# Altium PCB Power Distribution Board.PcbDoc (part 2 of 3)
Units mil, origin at the board's own origin, x right, y up, seen from the top; angles counter-clockwise.
Board outline 7086.61 x 4330.71 mil, 4 copper layers (Top Layer, L2 - GND, L3 - Power, Bottom Layer), stack 61.811 mil thick; 241 components, 181 nets, 796 pads, 516 vias.
Unrouted connection lines stored in the file: 42.
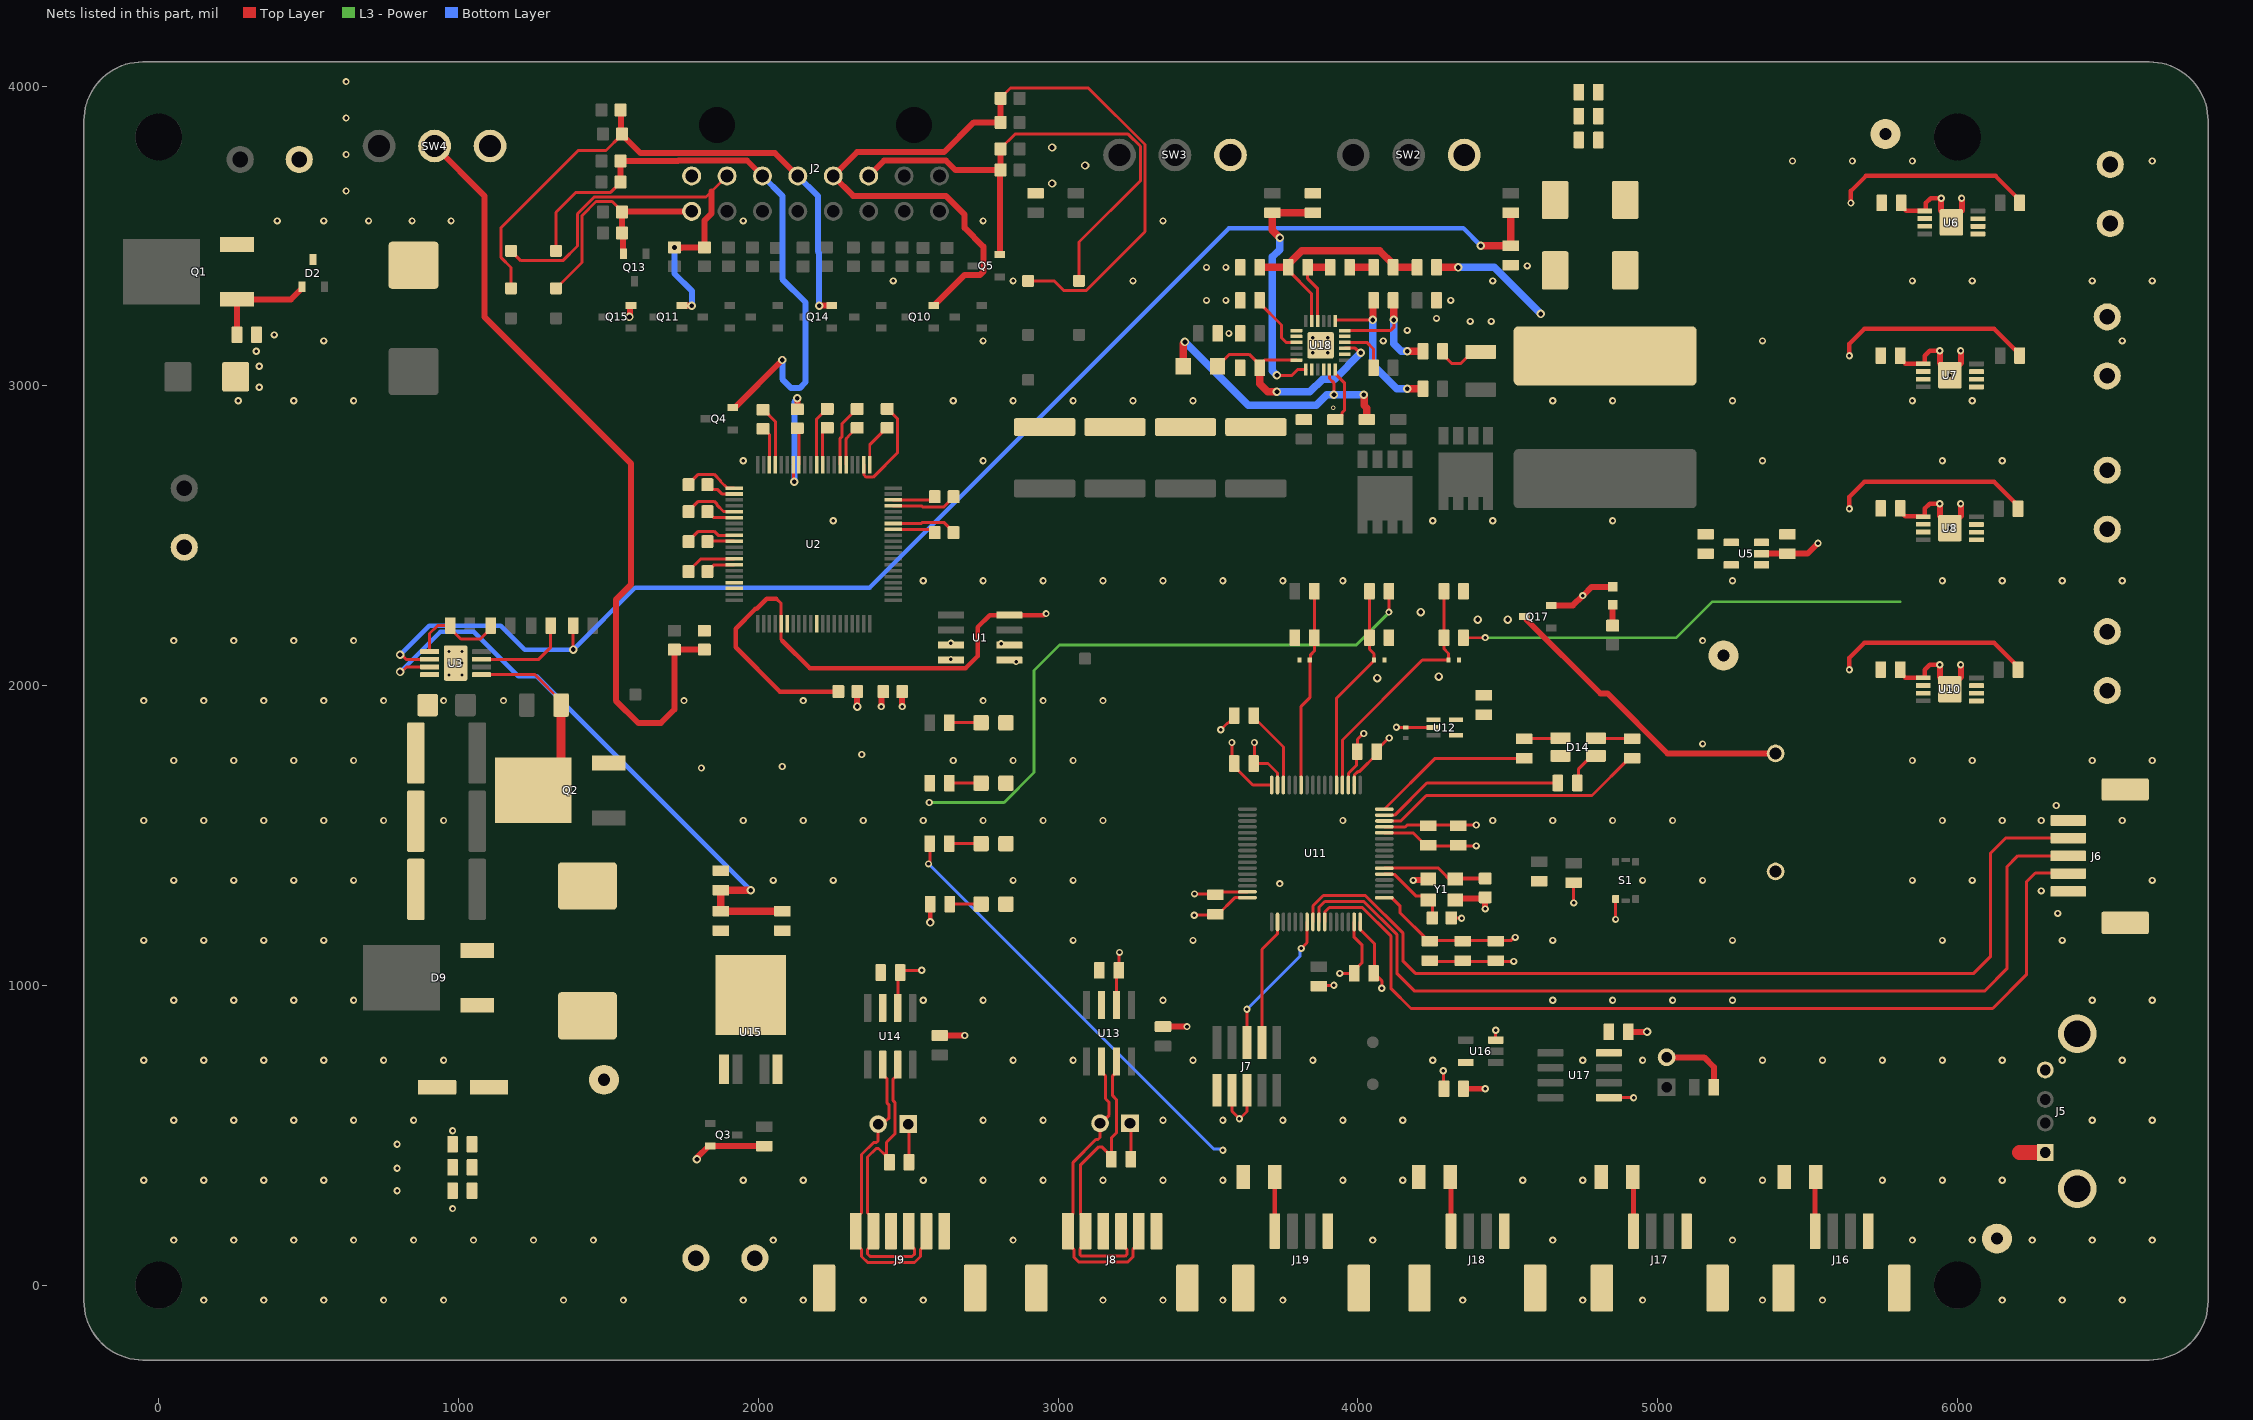
[diagram p4: the nets of this part, all layers, seen from the top]

## Part data (continued)
J1 J10 J11 J12 J13 J14 J15: "TERM BLK 2POS SIDE ENTRY 5MM", Current=18A, Manufacturer 1="Phoenix Contact", Manufacturer Part Number 1=1935161, Max Current Rating=16A, Package/Footprint=SMD, Supplier Part Number 1=277-1667-ND, Voltage=300V, Mounting Type=TH, Supplier 1=Digi-Key
J2: "Connector 16 Pin AJX", Arrow Part Number=0430451600, Manufacturer_Name=Molex, Arrow Price/Stock=https://www.arrow.com/en/products/0430451600/molex, Datasheet Link=https://www.molex.com/pdm_docs/sd/430451600_sd.pdf, Height=9.02mm, Manufacturer_Part_Number=0430451600
J5: "USB-A (USB TYPE-A) USB 2.0 Receptacle Connector 4 Position Through Hole, Right Angle", Manufacturer 1=GCT, Manufacturer Part Number 1=USB1130-15-A, Supplier Part Number 1=2073-USB1130-15-ACT-ND, Supplier 1=Digi-Key
J6: "CONN HEADER SMD RIGHT ANGLE 1.5MM PITCH", Current Rating=2A, Manufacturer 1=Molex, Manufacturer Part Number 1=5025850570, Package/Footprint=SMD, Supplier Part Number 1=WM14469CT-ND, Family=CLIK-Mate, Mounting Type=SMD, Orientation="Right Angle", Supplier 1=Digi-Key
J7: "CONN HEADER SMD 10POS 1.27MM", Manufacturer 1=Samtec, Manufacturer Part Number 1=FTSH-105-01-F-DV-K, Supplier Part Number 1=SAM8796-ND, Mounting Type=SMD, Pitch=1.27mm, Supplier 1=Digi-Key
J8 J9: "CONN HEADER SMD RIGHT ANGLE 1.5 MM PITCH", Manufacturer 1=Molex, Manufacturer Part Number 1=5025850670, Package/Footprint=SMD, Supplier Part Number 1=WM12832CT-ND, Family=CLIK-Mate, Mounting Type=SMD, Supplier 1=Digi-Key
J16 J17 J18 J19: "CONN HEADER SMD RIGHT ANGLE 1.5 MM PITCH", Package/Footprint=SMD, Supplier Part Number 1=WM9449CT-ND, Family=CLIK-Mate, Mounting Type=SMD, Supplier 1=Digi-Key
L2: "FIXED IND 47UH 6.5A 90 MOHM SMD", Current Rating=6.5A, DC Resistance (DCR)=90mR, Inductance=47μH, Manufacturer 1="Bourns Inc.", Manufacturer Part Number 1=SRP1265A-470M, Saturation Current=9A, Supplier Part Number 1=SRP1265A-470MCT-ND, Supplier 1=Digi-Key
L3: "FIXED IND 10UH 24A 8.6 MOHM SMD", Current Rating=24A, DC Resistance (DCR)=8.6mR, Inductance=10μH, Manufacturer 1="Pulse Electronics Power", Manufacturer Part Number 1=PA2247.103NLT, Saturation Current=26A, Supplier Part Number 1=553-PA2247.103NLTCT-ND, Supplier 1=Digi-Key
Q1: "MOSFET P-CH 85V 96A TO263", Manufacturer 1=IXYS, Manufacturer Part Number 1=IXTA96P085T-TRL, Package/Footprint=TO-263AA, Supplier Part Number 1=IXTA96P085T-TRLCT-ND, Id=96A, Mounting Type=SMD, Supplier 1=Digi-Key, Vdss=85V, Verified=No, Vgs (Max)=±15V
Q2: "MOSFET P-CH 100V 120A TO263", Manufacturer 1="Vishay Siliconix", Manufacturer Part Number 1=SQM120P10_10M1LGE3, Package/Footprint=TO-263, Supplier Part Number 1=IXTA96P085T-ND, Id=120A, Mounting Type=SMD, Supplier 1=Digi-Key, Vdss=100V, Verified=No, Vgs (Max)=±15V
Q3: "MOSFET P-CH 60V 120MA SOT-23", Manufacturer 1="ON Semiconductor", Manufacturer Part Number 1=NDS0610, Package/Footprint=SOT-23, Supplier Part Number 1=NDS0610CT-ND, Id=120mA, Mounting Type=SMD, Supplier 1=Digi-Key, Vdss=60V, Vgs (Max)=±20V
Q4 Q5 Q6 Q9 Q10 Q11 Q12 Q13 Q14 Q15 Q16: "MOSFET N-CH 20V 6A SOT-23", Manufacturer 1="Alpha & Omega", Manufacturer Part Number 1=AO3420, Supplier Part Number 1=785-1014-2-ND, Supplier 1=Digi-Key
Q7 Q8: "MOSFET N-CH 100V 90A 8SOP", Manufacturer 1="Toshiba Semiconductor and Storage", Manufacturer Part Number 1=TPH3R70APL,L1Q, Package/Footprint="8-SOP Advance", Supplier Part Number 1=264-TPH3R70APLL1QCT-ND, Id=90A, Supplier 1=Digi-Key, Vdss=100V, Vgs (Max)=±20V
Q17: "TRANS NPN 40V 1.5A SOT23", Arrow Part Number=SS8050-G, Manufacturer_Name="Comchip Technology", Mouser Part Number=750-SS8050-G, Arrow Price/Stock=https://www.arrow.com/en/products/ss8050-g/comchip-technology?region=nac, Datasheet Link=https://datasheet.datasheetarchive.com/originals/distributors/DKDS-12/229454.pdf, Height=1.15mm, Manufacturer_Part_Number=SS8050-G, Mouser Price/Stock=https://www.mouser.co.uk/ProductDetail/Comchip-Technology/SS8050-G?qs=LLUE9lz1YbcHg%252BWLMAtcrQ%3D%3D
R1 R21 R22 R23 R77 R91: "RES 1K OHM 1% 1/8W 0805", LCSC Part #=C17513, Manufacturer 1=Yageo, Manufacturer Part Number 1=RC0805FR-071KL, Package=0805, Supplier Part Number 1=311-1.00KCRCT-ND, Mounting Type=SMD, Supplier 1=Digi-Key
R2 R3 R6 R7 R10 R11 R20 R24 R28 R32 R36: "RES 3K OHM 1% 1/10W 0603", Manufacturer 1=Yageo, Manufacturer Part Number 1=RC0603FR-073KL, Supplier Part Number 1=311-3.00KHRCT-ND, Supplier 1=Digi-Key
R4 R5 R8 R9 R12 R13 R25 R27 R34 R35 R37: "RES 430 OHM 5% 1/10W 0603", Manufacturer 1="Stackpole Electronics", Manufacturer Part Number 1=RMCF0603JT430R, Package/Footprint=0603, Mounting Type=SMD, Supplier 1=Digi-Key, Supplier Part Number 1=RMCF0603JT430R
R14: "RES 0.01 OHM 1% 1/2W 1206", Manufacturer 1="Stackpole Electronics Inc", Manufacturer Part Number 1=CSR1206FT10L0, Package/Footprint=1206, Supplier Part Number 1=CSR1206FT10L0CT-ND, Mounting Type=SMD, Supplier 1=Digi-Key
R15: "RES 1.24K OHM 1% 1/8W 0805", Manufacturer 1="Stackpole Electronics Inc", Manufacturer Part Number 1=RMCF0805FT1K24, Package/Footprint=0805, Supplier Part Number 1=RMCF0805FT1K24CT-ND, Mounting Type=SMD, Supplier 1=Digi-Key
R16 R88: "RES 3.3K OHM 1% 1/8W 0805", LCSC Part #=C26010, Manufacturer 1="Vishay Dale", Manufacturer Part Number 1=CRCW06033K30FKEA, Package=0805, Supplier Part Number 1=541-3.30KHCT-ND, Mounting Type=SMD, Supplier 1=Digi-Key
R17 R29 R30 R31 R33 R70 R71 R93 R94: "RES 10K OHM 5% 1/8W 0805", LCSC Part #=C17414, Manufacturer 1="Panasonic Electronic Components", Manufacturer Part Number 1=ERJ-6GEYJ103V, Package/Footprint=0805, Supplier Part Number 1=P10KACT-ND, Mounting Type=SMD, Supplier 1=Digi-Key
R18: "RES 510K OHM 5% 1/8W 0805", Manufacturer 1="Stackpole Electronics Inc", Manufacturer Part Number 1=RMCF0805JT510K, Package/Footprint=0805, Supplier Part Number 1=RMCF0805JT510KCT-ND, Mounting Type=SMD, Supplier 1=Digi-Key
R19: "RES 787 OHM 1% 1/8W 0805", Manufacturer 1=Yageo, Manufacturer Part Number 1=RC0805FR-07787RL, Package/Footprint=0805, Supplier Part Number 1=RHM.005APCT-ND, Mounting Type=SMD, Supplier 1=Digi-Key
R26: "RES 220 OHM 5% 1/2W 0805", LCSC Part #=C17557, Manufacturer 1="Panasonic Electronic Components", Manufacturer Part Number 1=ERJ-P06J221V, Package=0805, Supplier Part Number 1=P220ADCT-ND, Mounting Type=SMD, Supplier 1=Digi-Key
R38 R39: "RES 1K OHM 5% 1/10W 0603", LCSC Number=C14676, Manufacturer 1=Yageo, Manufacturer Part Number 1=RC0603JR-071KL, Package/Footprint=0603, Supplier Part Number 1=311-1.0KGRCT-ND, Mounting Type=SMD, Supplier 1=Digi-Key
R67 R69: "RES 20 OHM 1% 1/8W 0805", LCSC Part #=C17581, Manufacturer 1=Yageo, Manufacturer Part Number 1=RC0805FR-0720RL, Package=0805, Supplier Part Number 1=311-20.0CRCT-ND, Mounting Type=SMD, Supplier 1=Digi-Key
R68 R72 R74 R92: "RES 120 OHM 1% 1/8W 0805", LCSC Part #=C17437, Manufacturer 1=Vishay, Manufacturer Part Number 1=CRCW0805120RFKEA, Package/Footprint=0805, Supplier Part Number 1=541-120CCT-ND, Mounting Type=SMD, Supplier 1=Digi-Key
R73 R75 R98 R99 R100 R101: "RES 0 OHM JUMPER 1/8W 0805", LCSC Part #=C17477, Manufacturer 1="Panasonic Electronic Components", Manufacturer Part Number 1=ERJ-6GEY0R00V, Package/Footprint=0805, Supplier Part Number 1=P0.0ACT-ND, Mounting Type=SMD, Supplier 1=Digi-Key
R84: library part RES_5.6kΩ_0805_5%, "RES 5.6K OHM 5% 1/8W 0805", Manufacturer 1=Yageo, Manufacturer Part Number 1=RC0805JR-075K6L, Package=0805, Supplier Part Number 1=311-5.6KARCT-ND, Tolerance=5%, Supplier 1=Digi-Key
R85: library part RES_2.2kΩ_0805_5%, "RES 2.2K OHM 5% 1/8W 0805", Manufacturer 1="Vishay Dale", Manufacturer Part Number 1=CRCW08052K20JNEAC, Package=0805, Supplier Part Number 1=541-4169-1-ND, Tolerance=5%, Supplier 1=Digi-Key
R87: "RES 15K OHM 1% 1/8W 0805", Manufacturer 1="Vishay Dale", Manufacturer Part Number 1=CRCW080515K0FKEA, Supplier Part Number 1=541-15.0KCCT-ND, Supplier 1=Digi-Key
R89: library part RES_1.2kΩ_0805_5%, "RES 1.2K OHM 5% 1/8W 0805", Manufacturer 1=Yageo, Manufacturer Part Number 1=RC0805JR-071K2L, Package=0805, Supplier Part Number 1=311-1.2KARCT-ND, Tolerance=5%, Supplier 1=Digi-Key
R95: "RES 2.32K OHM 1% 1/4W 0805", Manufacturer 1="Stackpole Electronics Inc", Manufacturer Part Number 1=RNCP0805FTD2K32, Package=0805, Supplier Part Number 1=RNCP0805FTD2K32CT-ND, Supplier 1=Digi-Key
R96: "RES 33.2K OHM 1% 1/8W 0805", Manufacturer 1="Stackpole Electronics Inc", Manufacturer Part Number 1=RMCF0805FT33K2, Package/Footprint=0805, Supplier Part Number 1=RMCF0805FT33K2CT-ND, Mounting Type=SMD, Supplier 1=Digi-Key
R97: "RES 12.1K OHM 1% 1/4W 0805", Manufacturer 1="Stackpole Electronics Inc", Manufacturer Part Number 1=RNCP0805FTD12K1, Package=0805, Supplier Part Number 1=RNCP0805FTD12K1CT-ND, Supplier 1=Digi-Key
R102: "RES 0.005 OHM 1% 1W 1210", Manufacturer 1="Rohm Semiconductor", Manufacturer Part Number 1=PMR25HZPFU5L00, Package/Footprint=1210, Supplier Part Number 1=RHM.005APCT-ND, Mounting Type=SMD, Supplier 1=Digi-Key
R103: "RES 73.2K OHM 1% 1/8W 0805", Manufacturer 1=Yageo, Manufacturer Part Number 1=RC0805FR-0773K2L, Package/Footprint=0805, Supplier Part Number 1=311-73.2KCRCT-ND, Mounting Type=SMD, Supplier 1=Digi-Key
R104: "RES 6.04K OHM 1% 1/8W 0805", Manufacturer 1=Yageo, Manufacturer Part Number 1=RC0805FR-076K04L, Package/Footprint=0805, Supplier Part Number 1=311-6.04KCRCT-ND, Mounting Type=SMD, Supplier 1=Digi-Key
R105: "RES 1.15K OHM 1% 1/8W 0805", Manufacturer 1=Yageo, Manufacturer Part Number 1=RC0805FR-071K15L, Package/Footprint=0805, Supplier Part Number 1=311-1.15KCRCT-ND, Mounting Type=SMD, Supplier 1=Digi-Key
RX TX: "TESTPOINT 1MM CIRCLE"
S1: "SMT 3.0 X 2.6 MM TACT SWITCH WIT", Manufacturer 1="Würth Elektronik", Manufacturer Part Number 1=435151014824, Supplier Part Number 1=732-435151014824CT-ND, Supplier 1=Digi-Key
SW2 SW3: "SWITCH TOGGLE SPDT 5A 120V", Current Rating=5A, Manufacturer 1=E-Switch, Manufacturer Part Number 1=100SP1T1B4M2QE, Package/Footprint=TH, Supplier Part Number 1=EG2355-ND, Voltage Rating (DC)=28V, Mounting Type=TH, Supplier 1=Digi-Key, Throw Configuration=SPDT
SW4: "SWITCH TOGGLE SPDT 5A 120V", Manufacturer 1=E-Switch, Manufacturer Part Number 1=100SP1T1B4M2QE, Package/Footprint=TH, Supplier Part Number 1=EG2355-ND, Voltage Rating (DC)=28V, Mounting Type=TH, Supplier 1=Digi-Key, Throw Configuration=SPDT
U1: "Hall-Effect Current Sensor", Arrow Part Number=TMCS1101A3BQDRQ1, Manufacturer_Name="Texas Instruments", Mouser Part Number=595-TMCS1101A3BQDRQ1, Arrow Price/Stock=https://www.arrow.com/en/products/tmcs1101a3bqdrq1/texas-instruments?region=nac, Datasheet Link=https://www.ti.com/lit/ds/symlink/tmcs1101-q1.pdf?HQS=dis-dk-null-digikeymode-dsf-pf-null-wwe&ts=1636812075055&ref_url=https%253A%252F%252Fwww.digikey.be%252F, Height=1.75mm, Manufacturer_Part_Number=TMCS1101A1BQDRQ1, Mouser Price/Stock=https://www.mouser.co.uk/ProductDetail/Texas-Instruments/TMCS1101A3BQDRQ1?qs=QNEnbhJQKvb740%252BlrUS3Og%3D%3D
U2: "IC 16s BMS", Manufacturer_Name="Maxim Integrated", Mouser Part Number=700-MAX14921ECS+, Datasheet Link=http://pdfserv.maximintegrated.com/package_dwgs/21-0072.PDF, Height=1.2mm, Manufacturer_Part_Number=MAX14921ECS+, Mouser Price/Stock=https://www.mouser.co.uk/ProductDetail/Maxim-Integrated/MAX14921ECS%2b?qs=Vwh6e7toGLhlnKi5DjCusg%3D%3D
U3: library part BUCK_LM5085, "IC REG CTRLR BUCK 8VSSOP", Manufacturer 1="Texas Instruments", Manufacturer Part Number 1=LM5085MME/NOPB, Package/Footprint=8-VSSON, Supplier Part Number 1=LM5085MME/NOPBCT-ND, Mounting Type=SMD, Output Configuration=Positive, Output Type="Transistor Driver", Supplier 1=Digi-Key
U5: "IC REG LINEAR 3.3V 500MA SOT23-5", Input Voltage (Max)=5.25V, Manufacturer 1="RICOH Electronic Devices Co., LTD.", Manufacturer Part Number 1=RP111N331B-TR-FE, Operating Temperature="-40°C - 85°C", Output Current=500mA, Output Voltage (Fixed)=3.3V, Package/Footprint=SOT-25, Supplier Part Number 1=2129-RP111N331B-TR-FECT-ND, Voltage Dropout (Max)=0.32V, Mounting Type=SMD, Supplier 1=Digi-Key
U6 U7 U8 U10: "IC PWR SWITCH N-CHAN 1:1 8TSSOP", Manufacturer 1="Rohm Semiconductor", Package/Footprint=8-TSSOP, Supplier Part Number 1=BD82006FVJ-MGE2CT-ND, Manufacturer Part Number 1=BD82006FVJ-MGE2, Mounting Type=SMD, Rds On (Typ)=70mOhm, Supplier 1=Digi-Key
U11: library part MCU_STM32F446RET6, "ARM Cortex-M4 32-bit MCU+FPU, 512 KB Flash, 128 KB Internal RAM, 50 I/Os, 64-Pin LQFP, -40 to 85 degC, Tray", I/Os (High Current)=50, Operating Frequency(F) (Processor speed) (MHz)=180, Package Description=LQFP64, Package Reference="64-Pin Low-profile Quad Flat Package, Body 10 x 10 mm, Pitch 0.5 mm", Supplier Part Number 1=497-15376-ND, Supply Voltage(Vcc) min (V)=1.7, ComponentLink1Description="Manufacturer URL", ComponentLink1URL=http://www.st.com/, ComponentLink2Description=Datasheet, ComponentLink2URL=http://www.st.com/st-web-ui/static/active/en/resource/technical/document/datasheet/DM00141306.pdf, Core="ARM Cortex-M4", D/A Converter=2, DatasheetVersion="Rev. 6", FLASH Size (Prog) (kB)=512, Internal RAM Size (kB)=128, Mounting Technology="Surface Mount", Packing=Tray, Supplier 1=Digi-Key
U12: "SENSOR ANALOG -50C-150C SC70-5", Manufacturer 1="Texas Instruments", Manufacturer Part Number 1=LMT87DCKT, Package/Footprint=SC70-5, Supplier Part Number 1=296-35730-1-ND, Mounting Type=SMD, Supplier 1=Digi-Key
U13 U14: "IC TXRX CAN 4MBPS 8SO", LCSC Part #=C117076, Manufacturer 1="Linear Technologies", Manufacturer Part Number 1=LTC2875IS8#PBF, Package/Footprint=8-SOIC, Supplier Part Number 1=LTC2875IS8#PBF-ND, Mounting Type=SMD, Supplier 1=Digi-Key
U15: "IC PWR SWITCH N-CHAN 1:1 TO252-5", Manufacturer 1="Infineon Technologies", Package/Footprint=TO-252-5, Supplier Part Number 1=BTS5014SDAAUMA1CT-ND, Manufacturer Part Number 1=BTS5014SDAAUMA1, Mounting Type=SMD, Supplier 1=Digi-Key
U16: "IC BUFFER NON-INVERT 5.5V 5TSOP", Manufacturer 1=onsemi, Manufacturer Part Number 1=M74VHC1GT50DTT1G, Package/Footprint=TSOP-5, Supplier Part Number 1=M74VHC1GT50DTT1GOSCT-ND, Mounting Type=SMD, Supplier 1=Digi-Key
U17: "IC RS485 TRANSCEIVER HALF 1/1 8SOIC", LCSC Part #=C9945, Manufacturer 1="Maxim Integrated", Manufacturer Part Number 1=MAX485CSA+T, Package/Footprint=8-SOIC, Supplier Part Number 1=MAX485CSA+TCT-ND, Supply Voltage="4.75V - 5.25V", Data Rate=2.5Mbps, Mounting Type=SMD, Protocol="RS422, RS485", Supplier 1=Digi-Key
U18: "IC REG CTRLR BUCK 24WQFN", Manufacturer 1="Texas Instruments", Manufacturer Part Number 1=LM5117PSQ/NOPB, Package/Footprint=24-WQFN, Supplier Part Number 1=595-LM5117PSQE/NOPB, Mounting Type=SMD, Supplier 1=Mouser
Y1: "CRYSTAL 25.0000MHZ 20PF SMD", Frequency=25MHz, Load Capacitance=20pF, Manufacturer 1="ECS Inc.", Manufacturer Part Number 1=ECS-250-20-33-CKM-TR, Package/Footprint=SMD, Supplier Part Number 1=XC1817CT-ND, Mounting Type=SMD, Supplier 1=Digi-Key

## Via types
v1: diameter 24, hole 12, Top Layer to Bottom Layer, tented both sides, 439 vias
v2: diameter 28, hole 16, Top Layer to Bottom Layer, tented both sides, 70 vias
v3: diameter 20, hole 10, Top Layer to Bottom Layer, 6 vias
v4: diameter 16, hole 8, Top Layer to Bottom Layer, tented both sides, 1 vias

## Nets (pads, with @x,y where several pads share a name; then routed paths per layer and width w, separated by ;. In a path a pad name is that pad's centre, name@x,y a point inside that pad or via, vN(x,y) a via of type N, cw(c..) or ccw(c..) an arc to the next point about the centre after c; other vN are vias at no path point)
3V3: 3V3.1 C7.1 C46.2 C47.2 C48.2 C49.2 C50.2 C51.2 C52.2 C53.2 C54.2 C55.2 C60.2 C61.2 C62.2 C63.2 D14.4 J7.1 R26.2 R29.2 R30.2 R31.2 R33.2 R71.2 U1.8 U2.5 U5.4 U5.5 U11.1 U11.13 U11.19 U11.32 U11.48 U11.64 U12.1 U12.4 U12.5 U13.3 U14.3 U16.5 | length 6338.1
  Top Layer w10: 2060,2290 2076.46,2273.54 U2.5@2076.46,2206.46 2076.46,2153.54 2080,2150 ; v1(3454,1234) 3524.24,1234 3525,1234.76 3531.89,1234.76 3589.49,1292.36 U11.48@3631.65,1292.36 ; v1(3580,1810) 3580,1744.76 3584.76,1740 3584.76,1733.11 3649.53,1668.35 U11.32@3712.36,1668.35 ; U11.19@3968.27,1668.35 3968.61,1668.69 3968.61,1707.35 3994.76,1733.5 3994.76,1780 3998.61,1783.85 3998.61,1820.64 4017.98,1840 v1(4020,1840) ; U11.64@4007.64,1211.65 4007.64,1186.55 4009.03,1185.16 4055.24,1138.95 4055.24,1040 4080,1015.24 v1(4080,990) ; U11.1@4088.35,1292.36 4113.45,1292.36 4140,1265.81 4140,1243.35 C53.2@4233.11,1150.24 ; U11.13@4088.35,1528.58 4158.14,1528.58 4164.79,1535.24 4235,1535.24 4335,1535.24 4335.24,1535 v1(4395,1535) ; C53.2@4240,1150.24 C53.2@4233.11,1150.24 ; C63.2@4284.76,655 4285,655.24 v1(4285,715) ; v1(4525,1160) 4521.91,1160 4512.14,1150.24 C53.2@4233.11,1150.24
  Top Layer w15: 2060,2290 2028.28,2290 1994.35,2256.07 1990.47,2256.07 1924.46,2190.06 1924.46,2127.56 2072.02,1980 C7.1@2267.01,1980 ; 2080,2150 2172.31,2057.69 2691.25,2057.69 2731.44,2097.88 2731.44,2194.81 2771.63,2235 U1.8@2837.44,2235 2952.56,2235 2957.56,2240 v1(2960,2240) ; v2(2573.56,1210) R26.2@2573.56,1271 ; v1(5640,2052.5) 5640,2092.5 5690,2142.5 6122.32,2142.5 6202.48,2062.34 R33.2@6202.48,2052.5 ; v1(5640,2590) 5640,2630 5690,2680 6122.32,2680 6202.48,2599.84 R31.2@6202.48,2590 ; v1(5640,3100) 5640,3140 5690,3190 6122.32,3190 6202.48,3109.84 R30.2@6202.48,3100 ; v1(5645,3610) 5645,3650 5695,3700 6127.32,3700 6207.48,3619.84 R29.2@6207.48,3610
  other v1: 2750,550 2950,550 3350,550 3550,550 3750,550 3950,550 4150,550 2850,750 3050,750 3450,750 3850,750 4250,750 2550,950 2750,950 3350,950 3050,1150 3450,1150 4650,1150 5250,1150 3739.39,1339.39 4950,1350 5150,1350 4450,1550 4650,1550 4850,1550 5050,1550 5150,1805.57 5150,2150 5250,2350
5V: 5V.1 BZ1.1 C39.2 C40.2 C41.2 C42.2 C45.2 C64.2 C78.1 C79.1 C80.2 C81.2 C82.2 F2.2 F3.2 F4.2 F5.2 J5.1 L3.2 R22.2 R85.2 R104.2 U5.1 U5.3 U6.2 U6.3 U7.2 U7.3 U8.2 U8.3 U10.2 U10.3 U17.8 | length 3451.5
  Top Layer w8: R85.2@4352.48,2160 v1(4425,2160)
  Top Layer w10: v1(2567.82,1405.17) 2567.82,1406.51 2572.07,1410.76 R22.2@2572.07,1472.67
  Top Layer w25: R104.2@4262.48,3395 v2(4335,3395)
  Top Layer w50: 6207.8,442.2 J5.1@6293.31,442.2
  L3 - Power w8: v1(4425,2160) 5062.91,2160 5182.91,2280 5810,2280
  Bottom Layer w10: v1(2567.82,1405.17) 3518.91,454.08 3545.92,454.08 v1(3550,450)
  Bottom Layer w25: v2(4335,3395) 4455,3395 v2(4610,3240)